# Allegro board hi3518edmeb_ver_a_pcb.brd (continued)
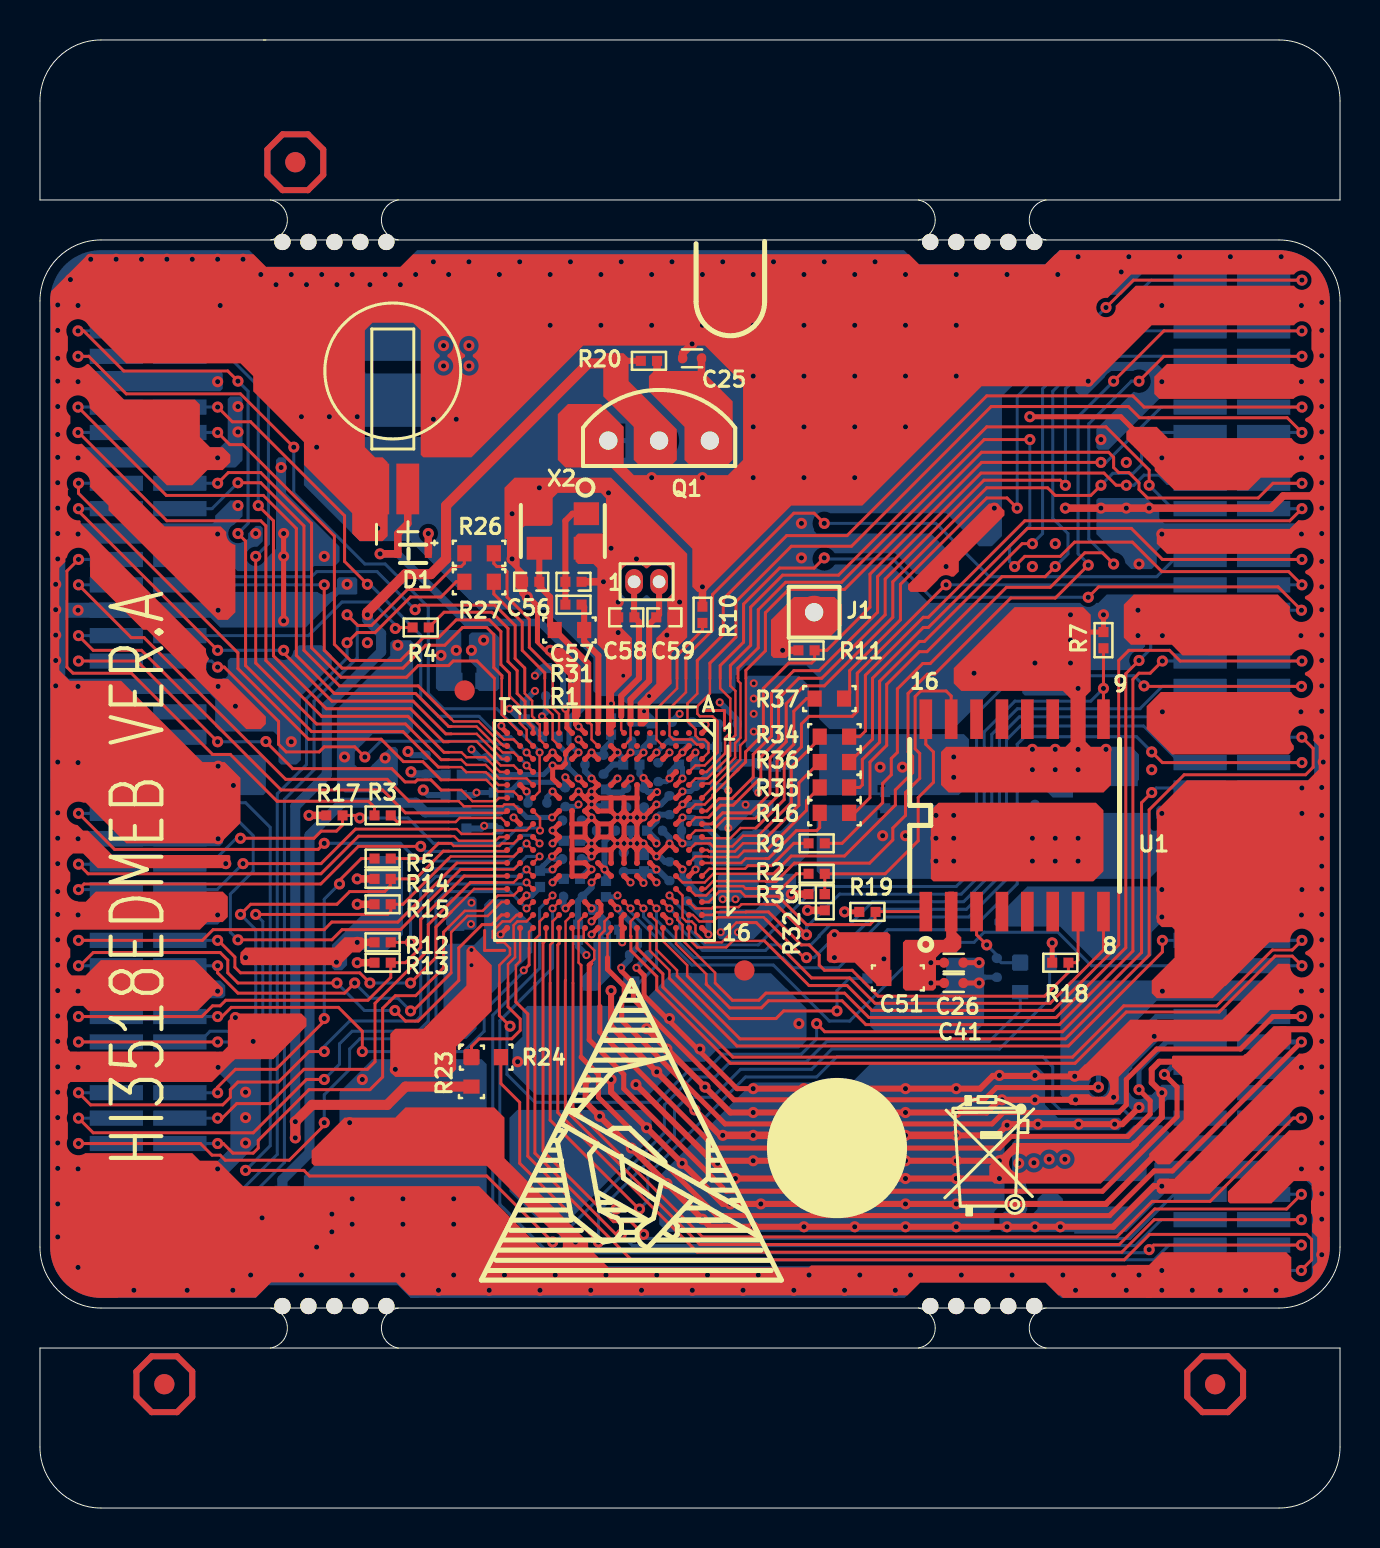
[diagram p0: board, top side]
## Routing (per net, layer and track width the routed paths; a pad name or vN(x,y) marks a point on that pad's centre or on a via; arc(x,y) is an arc through that point) (continued)
SAR_ADC_CH0_REFB: length 43.4
  TOP w0.152: R26.1 21.23,47.25 21.08,47.09 20.7,47.09 19.56,45.94 18.39,45.94 16.59,44.14 15.9,44.14 v1(15.37,44.67)
  BOTTOM w0.152: v1(15.37,44.67) 15.88,44.16 15.88,42.51 13.72,40.35 13.72,36.92 12.23,35.44 12.23,17.28 9.37,14.42 J2.76
SAR_ADC_CH1: length 9.6
  TOP w0.127: U3.M2 25.65,38.43 25.65,39.67 25.26,40.06 25.26,41.5
  TOP w0.152: 25.26,41.5 25.26,41.77 24.13,42.89 24.13,44.29 22.71,45.71 R27.2
SAR_ADC_CH1_REFB: length 39.9
  TOP w0.152: v1(15.37,43.27) 15.88,43.78 16.76,43.78 18.54,45.56 20.07,45.56 20.83,46.32 R27.1
  BOTTOM w0.152: J2.74 9.88,15.69 11.87,17.68 11.87,35.72 13.34,37.18 13.34,40.48 15.37,42.51 v1(15.37,43.27)
SAR_ADC_VREF: length 3.4
  TOP w0.254: v2(26.29,39.97) 26.37,39.9 26.37,39.02 U3.L1
  BOTTOM w0.305: LB4.2 26.17,40.68 C20.1 26.25,40.01 v2(26.29,39.97)
SDIO_CARD_DETECT: length 39.2
  TOP w0.127: U3.E14 v2(30.85,29.98)
  BOTTOM w0.152: J3.39 57.05,37.28 55.22,39.11 49.06,39.11 48.36,38.42 48.36,31.44 46.48,29.56 42.3,29.56 40.51,27.77 40.51,27.57 39.96,27.02 37.67,27.02 37.16,27.53 32.73,27.53 30.85,29.41 v2(30.85,29.98)
SDIO_CARD_POWER_EN: length 50.3
  TOP w0.127: U3.E15 30.85,29.33 30.85,27.92 31.88,26.89 31.88,26.61
  TOP w0.152: 31.88,26.61 35.03,23.46 51.31,23.46 55.5,27.65 55.5,34.92 57.25,36.67 63.32,36.67 63.7,37.05 63.7,37.99 v1(63.14,38.55)
  BOTTOM w0.152: J3.38 v1(63.14,38.55)
SDIO_CCLK_OUT: length 33.3
  TOP w0.152: v1(63.14,37.28) 56.16,37.28 v1(55.63,37.81)
  BOTTOM w0.152: v1(55.63,37.81) 54.86,38.58 49.28,38.58 48.9,38.19 48.9,31.21 46.61,28.92 42.42,28.92 41.4,27.91 R38.2 ; J3.40 v1(63.14,37.28)
SDIO_CCMD: length 45.7
  TOP w0.152: v1(55.24,41.12) 55.27,41.09 v1(63.12,41.09) ; v2(31.5,30.63) U3.C14
  BOTTOM w0.152: v1(55.24,41.12) 54.74,41.62 48.77,41.62 46.86,39.72 46.86,32.1 45.85,31.08 38.86,31.08 35.94,28.16 33.27,28.16 32.45,28.99 32.45,29.62 31.5,30.57 v2(31.5,30.63) ; J3.34 v1(63.12,41.09)
SDIO_CDATA0: length 44.8
  TOP w0.127: U3.C16 31.82,28.22 33.34,26.7 33.34,26.26
  TOP w0.152: 33.34,26.26 33.34,26.19 34.52,25.01 36.09,25.01 36.45,25.37 40.13,25.37 41.33,24.17 51,24.17 54.69,27.86 54.69,41.45 54.99,41.75 55.55,41.75 v1(56.16,42.36)
  BOTTOM w0.152: J3.31 v1(56.16,42.36)
SDIO_CDATA1: length 46.7
  TOP w0.127: U3.C15 31.82,29.57 31.89,29.5 31.89,29.42 32.15,29.16 32.15,28.4 33.78,26.76 33.78,26.26
  TOP w0.152: v1(54.99,42.39) 54.33,41.73 54.33,28.02 50.84,24.53 41.48,24.53 40.26,25.75 36.32,25.75 35.97,25.39 34.65,25.39 33.78,26.26
  BOTTOM w0.152: J3.27 56.21,44.9 55.58,44.27 55.58,42.97 v1(54.99,42.39)
SDIO_CDATA2: length 36.1
  TOP w0.127: 36.32,29.43 36.21,29.54 33.89,29.54 33.68,29.33 32.99,29.33 32.66,29.66 U3.B15
  TOP w0.152: 36.32,29.43 38.23,27.53 v1(38.35,27.53)
  BOTTOM w0.152: v1(38.35,27.53) 38.73,27.53 39.37,28.16 40.26,28.16 42.04,29.94 46.35,29.94 48.01,31.59 48.01,38.57 49,39.57 55.52,39.57 56.54,38.55 J3.37
SDIO_CDATA3: length 50.9
  TOP w0.127: 36.25,28.37 34.67,28.37 34.34,28.04 32.89,28.04 32.47,28.45 U3.B16
  TOP w0.152: 36.25,28.37 38.48,26.13 40.39,26.13 41.63,24.89 50.69,24.89 53.98,28.17 53.98,42.39 54.48,42.89 56.52,42.89 57.05,42.36 v1(63.14,42.36)
  BOTTOM w0.152: J3.32 v1(63.14,42.36)
SDIO_CWPR: length 37.7
  TOP w0.152: v2(31.5,29.98) U3.D14
  BOTTOM w0.152: v2(31.5,29.98) 32,29.48 32,29.04 33.16,27.88 36.3,27.88 36.58,28.16 38.56,28.16 38.99,28.59 38.99,28.63 39.54,29.18 40.51,29.18 41.66,30.32 46.22,30.32 47.62,31.73 47.62,38.69 48.91,39.97 55.04,39.97 56.16,41.09 J3.33
SENSOR_CLK: length 26.2
  TOP w0.152: v1(1.93,47.44) 1.35,46.86 1.35,42.06 1.65,41.75 4.57,41.75 8.64,37.69 9.53,37.69 11.87,35.35 16.44,35.35 16.74,35.05 R3.1
  BOTTOM w0.152: J2.23 v1(1.93,47.44)
SFC_CLK/SFC_ADDR_MODE: length 12.9
  TOP w0.152: U1.16 44.32,38.19 44.7,37.81 44.7,36.29 43.94,35.53 43.94,33.37 42.29,31.72 R2.2 R32.2
SFC_CSN: length 24.4
  TOP w0.127: 33.55,29.66 33.65,29.66 33.78,29.8 35.32,29.8 35.33,29.81
  TOP w0.13: 33.55,29.66 U3.A15
  TOP w0.152: 35.33,29.81 36.45,29.81 38.1,28.16 38.48,28.16 38.99,27.65 38.99,27.15 39.25,26.89 40.64,26.89 41.94,25.6 50.27,25.6 51.46,26.79 R18.2 51.82,27.27 51.94,27.4 U1.7
SFC_DI_IO1: length 28.6
  TOP w0.127: 35.02,29.28 34.85,29.28 34.53,28.96 34.53,28.71 34.11,28.29 33.29,28.29 32.8,28.78 32.8,29.14 32.61,29.33 32.34,29.33 32.15,29.53 32.15,30.63 U3.C13
  TOP w0.152: 35.02,29.28 35.84,29.28 38.61,26.51 40.51,26.51 41.78,25.24 50.55,25.24 53.21,27.91 U1.8
SFC_DO_IO0: length 21.6
  TOP w0.127: U3.A13 33.29,30.96 33.69,31.35 36.31,31.35 36.32,31.34
  TOP w0.152: 36.32,31.34 36.83,31.34 37.74,32.25 41.51,32.25 42.67,33.41 42.67,34 43.31,34.64 43.31,35.78 44.02,36.49 44.02,37.74 43.79,37.97 43.79,40.58 44.07,40.86 45.34,40.86 45.59,40.61 U1.15
SFC_HOLD_IO3: length 12.6
  TOP w0.13: 36.32,30.6 35.29,30.6 35.04,30.84 34,30.84 33.47,30.31 U3.A14
  TOP w0.152: U1.1 41.82,29.83 R19.2 41.78,29.79 41.78,29.43 41.53,29.18 38.35,29.18 36.94,30.6 36.32,30.6
SFC_WP_IO2: length 34.5
  TOP w0.127: U3.B14 32.8,29.98 33.61,29.98
  TOP w0.13: 36.32,30.19 35.1,30.19 34.96,30.05 33.68,30.05 33.61,29.98
  TOP w0.152: v1(38.35,28.67) 36.83,30.19 36.32,30.19 ; R7.1 v1(53.21,40.99) U1.9
  BOTTOM w0.152: v1(38.35,28.67) 38.35,29.05 40.01,30.7 46.1,30.7 47.24,31.85 47.24,38.81 48.78,40.35 52.58,40.35 v1(53.21,40.99)
SHUTTER_TRIG/GPIO1_0: length 26.4
  TOP w0.127: U3.P10 24.67,32.91 v2(24.35,33.23)
  TOP w0.152: v1(1.93,34.74) 1.93,34.74 3.73,32.94 13.92,32.94 v1(14.22,33.24)
  BOTTOM w0.152: v1(14.22,33.24) 18.03,33.24 18.92,32.35 23.47,32.35 v2(24.35,33.23) ; J2.43 v1(1.93,34.74)
SPI0_CSN: length 25.3
  TOP w0.127: 24.26,40.86 24.26,40.73 24.63,40.37 24.63,39.6 24.73,39.5 24.73,39.43 24.96,39.2 25.01,39.2 25.01,38.9 25,38.89 25,38.63 25.02,38.6 25,38.58 25,38.44 25.02,38.41 U3.N2
  TOP w0.152: 24.26,40.86 24.26,42 23.77,42.49 23.77,44.14 22.76,45.15 19,45.15 v1(18.77,44.93)
  BOTTOM w0.152: J2.24 8.41,47.44 9.27,46.58 13.59,46.58 13.84,46.83 16.87,46.83 v1(18.77,44.93)
SPI0_MISO: length 31.4
  TOP w0.127: U3.P2 24.35,38.43 24.35,38.92 24,39.27 24,40.1 23.5,40.61
  TOP w0.152: v1(8.89,53.79) 9.5,53.18 10.16,53.18 14.73,48.61 14.73,43.19 15.54,42.39 18.03,42.39 19.18,43.53 19.94,43.53 20.83,44.42 22.48,44.42 23.06,43.83 23.06,42.18 23.5,41.75 23.5,40.61
  BOTTOM w0.152: J2.14 v1(8.89,53.79)
SPI0_MOSI: length 25.8
  TOP w0.127: U3.R1 23.1,39.68 23.1,41.48 23.11,41.5
  TOP w0.152: 23.11,41.5 23.11,41.62 22.71,42.03 22.71,43.68 22.35,44.04 21.14,44.04 20.25,43.15 19.3,43.15 18.16,42 15.11,42 14.22,42.89 v1(14.22,46.17)
  BOTTOM w0.152: v1(14.22,46.17) J2.26
SPI0_SCLK: length 13
  TOP w0.152: R4.1 17.83,44.04 v1(17.78,43.99)
  BOTTOM w0.152: v1(17.78,43.99) 17.78,44.16 16.64,45.31 15.11,45.31 13.44,43.63 J2.30
SPI1_CSN: length 21.4
  TOP w0.127: v2(25.02,33.88) 25.02,34.51 U3.P7
  TOP w0.152: v1(16,34.51) 15.88,34.64 R17.2 15.14,34.16 14.83,33.85 14.07,33.85 13.72,33.5 v1(10.03,33.5)
  BOTTOM w0.152: v1(16,34.51) 18.41,34.51 19.68,33.24 23.11,33.24 23.88,34 24.89,34 v2(25.02,33.88) ; v1(10.03,33.5) 9.83,33.5 8.53,32.2 J2.48
SPI1_MISO: length 19.2
  TOP w0.127: U3.P8 24.35,33.89 22.83,33.89 22.65,33.71 21.1,33.71 20.86,33.95 20.45,33.95
  TOP w0.152: v1(10.16,32.23) 14.06,32.23 15.79,33.95 20.45,33.95
  BOTTOM w0.152: v1(10.16,32.23) 8.86,30.93 J2.50
SPI1_MOSI: length 24.5
  TOP w0.127: U3.T9 22.99,33.56 22.8,33.37 20.95,33.37 20.73,33.6 20.55,33.6
  TOP w0.152: 20.55,33.6 15.94,33.6 14.06,31.72 2.41,31.72 v1(1.93,32.2)
  BOTTOM w0.152: J2.47 v1(1.93,32.2)
SPI1_SCLK: length 18.5
  TOP w0.152: v1(14.99,31.21) 14.99,31.39 16.08,32.48 R5.1 ; v1(8.89,20.77) 8.89,21.05 9.78,21.94 11.81,21.94 14.31,24.43 14.26,24.48 v1(14.22,24.48)
  BOTTOM w0.152: v1(14.99,31.21) 14.22,30.45 v1(14.22,24.48) ; J2.66 v1(8.89,20.77)
SVB_PWM: length 57.4
  TOP w0.127: 23.81,26.26 23.81,27.15 24.02,27.36 U3.R16
  TOP w0.152: v1(63.11,11.88) 63.11,11.9 63.63,12.41 63.63,13.43 63.37,13.68 55.52,13.68 54.25,12.41 29.59,12.41 24.41,17.6 24.41,24.71 23.81,25.3 23.81,26.26
  BOTTOM w0.152: J3.80 v1(63.11,11.88)
SYS_RSTN: length 28.6
  TOP w0.152: v1(14.86,26.26) 9.91,26.26 9.4,26.76 9.4,27.4 9.02,27.78 2.67,27.78 2.01,27.12 v1(1.93,27.12) ; v1(17.76,24.88) 18.29,24.35 18.92,24.35 20.95,26.38 20.95,28.01 22.12,29.18 22.61,29.18 23.09,29.66 U3.T15
  BOTTOM w0.152: J2.55 v1(1.93,27.12) ; v1(17.76,24.88) 16.23,24.88 v1(14.86,26.26)
SYS_RSTN_OUT: length 42.3
  TOP w0.152: v1(27.94,13.3) 24,17.24 24,20.29 23.06,21.23 R24.1
  BOTTOM w0.152: v1(27.94,13.3) 27.94,14.83 31.75,18.64 31.75,19.91 32.38,20.54 33.66,20.54 35.05,21.94 38.61,21.94 39.62,22.95 48.01,22.95 50.52,25.47 R28.2
SYS_RSTN_OUT/TEMPER_DQ: length 10.2
  TOP w0.127: U3.P15 24.35,29.33 23.89,29.33 23.7,29.14 23.7,28.47 23.77,28.4 23.77,27.55 23.42,27.2 23.42,26.26
  TOP w0.152: 23.42,26.26 23.42,25.06 24.03,24.45 24.03,23.89 23.6,23.46 21.97,23.46 21.59,23.08 R24.2
TEMPER_DQ: length 58.5
  TOP w0.305: 29.33,57.37 R20.2
  TOP w0.508: R23.1 18.29,21.08 17.37,20.16 13.61,20.16 v1(12.78,19.32) v1(12.78,18.51) ; v1(16.38,44.67) 16.38,44.8 18.29,46.7 19.56,46.7 20.32,47.47 20.32,50.13 27.43,57.24 28.7,57.24
  BOTTOM w0.508: v1(12.78,18.51) v1(12.78,19.32) 12.78,35.1 14.35,36.67 14.35,40.1 17.07,42.82 17.07,43.73 16.38,44.42 v1(16.38,44.67)
UART0_RXD: length 52.5
  TOP w0.127: U3.L16 26.67,28.96 26.67,26.26
  TOP w0.152: 26.67,26.26 26.67,20.03 33.15,13.56 53.87,13.56 55.65,15.33 58.55,15.33 62.71,19.5 v1(63.11,19.5)
  BOTTOM w0.152: J3.68 v1(63.11,19.5)
UART0_TXD: length 52.4
  TOP w0.127: U3.L15 26.3,29.33 26.3,26.39 26.29,26.38
  TOP w0.152: v1(63.11,15.69) 62.38,14.95 55.78,14.95 54,13.18 33.02,13.18 26.29,19.91 26.29,26.38
  BOTTOM w0.152: J3.74 v1(63.11,15.69)
UART1_CTSN/GPIO2_4: length 59.5
  TOP w0.127: U3.M14 v2(25.65,29.98)
  TOP w0.152: v1(55.5,12.92) 55.73,13.15 v1(63.11,13.15)
  BOTTOM w0.152: v2(25.65,29.98) 25.65,27.01 23.01,24.38 23.01,15.18 25.43,12.77 55.35,12.77 v1(55.5,12.92) ; J3.78 v1(63.11,13.15)
UART1_RTSN/GPIO2_2: length 54.2
  TOP w0.127: U3.N14 v2(25.65,30.63)
  BOTTOM w0.152: v2(25.65,30.63) 25,29.98 25,26.99 22.66,24.65 22.66,14.9 25.15,12.41 55.75,12.41 56.49,13.15 J3.77
UART1_RXD: length 46.8
  TOP w0.127: U3.N16 25.32,28.42
  TOP w0.152: v1(30.2,13.68) 29.57,14.32 28.7,14.32 25.17,17.85 25.17,28.26 25.32,28.42
  BOTTOM w0.152: v1(30.2,13.68) 30.4,13.48 54.53,13.48 56.74,15.69 J3.73
UART1_TXD: length 47.9
  TOP w0.127: 24.77,26.26 24.77,28.44 25,28.67 25,29.33 U3.N15
  TOP w0.152: v1(29.08,13.68) 28.83,13.68 24.77,17.75 24.77,26.26
  BOTTOM w0.152: J3.75 56.11,14.42 54.81,13.13 29.64,13.13 v1(29.08,13.68)
UART2_RXD: length 51
  TOP w0.127: U3.M15 25.65,29.33 25.65,28.29 25.53,28.17 25.53,26.26
  TOP w0.152: 25.53,26.26 25.53,19.4 29.97,14.95 v1(30,14.95)
  BOTTOM w0.152: J3.67 54.64,19.5 54.23,19.91 51.05,19.91 50.67,20.29 50.67,22.07 50.16,22.57 39.88,22.57 38.86,21.56 35.31,21.56 30.42,16.67 30.42,15.37 v1(30,14.95)
UART2_TXD: length 51.9
  TOP w0.152: v1(63.11,14.42) 55.75,14.42 54.13,12.79 32.89,12.79 25.91,19.78 25.91,28.16 25.97,28.23 U3.M16
  BOTTOM w0.152: J3.76 v1(63.11,14.42)
USB_DM: length 41.3
  TOP w0.155: U3.F16 29.87,28.01 31.17,26.71 31.17,26.05 34.67,22.55 51.66,22.55 54.23,25.11 58.87,25.11 61.67,27.91 62.66,27.91 v1(63.14,28.39)
  BOTTOM w0.155: J3.54 v1(63.14,28.39)
USB_DP: length 42.6
  TOP w0.127: 29.55,28.62 29.55,29.33 U3.F15
  TOP w0.155: 29.55,28.62 29.57,28.6 29.57,27.88 30.86,26.58 30.86,25.92 34.54,22.24 51.79,22.24 54.36,24.81 59,24.81 61.8,27.6 62.66,27.6 v1(63.14,27.12)
  BOTTOM w0.155: J3.56 v1(63.14,27.12)
USB_OVRCUR: length 33.4
  TOP w0.127: U3.F14 v2(30.2,29.98)
  BOTTOM w0.152: J3.55 52.6,27.12 50.93,28.8 47.24,28.8 46.74,28.29 44.45,28.29 40.51,24.35 39.5,24.35 36.69,27.15 32.62,27.15 30.2,29.57 v2(30.2,29.98)
USB_PWREN: length 33.4
  TOP w0.127: U3.E16 30.52,27.86 31.5,26.89 31.5,26.49
  TOP w0.152: v1(56.16,28.39) 56.16,27.81 51.46,23.11 34.87,23.11 31.5,26.49
  BOTTOM w0.152: J3.53 v1(56.16,28.39)
VI_POWER: length 40.6
  TOP w0.254: v2(25.62,34.53) 25.65,34.53 U3.M7
  BOTTOM w0.254: v2(25.62,34.53) 24.36,34.53 23.88,35.02 23.15,35.02 C8.1
  BOTTOM w0.381: C71.1 22.92,34.79 C8.1
  BOTTOM w0.508: J2.80 8.99,11.88 10.03,12.92 C30.1 12.13,13.07 C55.1 C73.1 12.13,16.41 13.49,17.77 13.49,33.65 15.11,35.27 18.8,35.27 19.28,34.79 C71.1
VIU_CLK: length 28.7
  TOP w0.127: U3.R7 23.7,35.18 23.24,35.18 23.15,35.1 21.21,35.1 20.95,35.35 20.45,35.35
  TOP w0.152: 20.45,35.35 18.47,35.35 17.37,36.44 12.29,36.44 5.21,43.53 4.57,43.53 v1(1.93,46.17)
  BOTTOM w0.152: J2.25 v1(1.93,46.17)
VIU_DAT0: length 28.2
  TOP w0.152: v1(16.38,46.2) 15.24,47.34 15.24,49.62 10.54,54.32 9.63,54.32 v1(8.89,55.06) ; U3.P3 v2(24.35,37.78)
  BOTTOM w0.152: v2(24.35,37.79) 23.56,38.58 22.99,38.58 21.97,39.59 19.94,39.59 19.05,40.48 19.05,43.65 16.5,46.2 v1(16.38,46.2) ; J2.12 v1(8.89,55.06)
VIU_DAT1: length 35
  TOP w0.127: U3.R3 23.7,37.79 23.15,37.79 22.96,37.98 22.72,38.22 22.71,38.22 21.85,39.08 20.57,39.08
  TOP w0.152: 20.57,39.08 20.45,39.08 18.8,40.73 14.73,40.73 12.83,42.64 12.83,48.99 11.18,50.64 6.32,50.64 v1(1.91,55.06)
  BOTTOM w0.152: J2.11 v1(1.91,55.06)
VIU_DAT2: length 28.7
  TOP w0.127: U3.T3 23.11,37.46 23.04,37.53 22.82,37.76 22.82,37.76 22.61,37.96 22.61,37.96 21.85,38.72 20.57,38.72
  TOP w0.152: v1(8.89,42.89) 1.93,49.86 v1(1.93,49.98) ; 20.57,38.72 20.31,38.72 18.67,40.35 14.61,40.35 12.19,42.77 v1(12.19,42.89)
  BOTTOM w0.152: v1(8.89,42.89) v1(12.19,42.89) ; J2.19 v1(1.93,49.98)
VIU_DAT3: length 21.5
  TOP w0.152: U3.P4 v2(24.35,37.13) ; v1(8.89,42.06) 9.22,42.06 11.94,39.34 11.94,38.19 12.32,37.81 13.97,37.81 14.22,38.07 15.75,38.07 v1(16.26,37.56)
  BOTTOM w0.152: v1(16.26,37.56) 17.04,38.35 22.71,38.35 22.86,38.19 23.32,38.19 24.35,37.17 v2(24.35,37.14) ; J2.32 8.59,42.36 v1(8.89,42.06)
VIU_DAT4: length 33.1
  TOP w0.127: U3.R4 23.7,37.14 23.05,37.14 21.85,38.33 20.46,38.33 20.45,38.32
  TOP w0.152: v1(10.92,50.13) 11.68,49.37 11.68,42.61 14.33,39.97 18.54,39.97 20.19,38.32 20.45,38.32
  BOTTOM w0.152: J2.8 9.42,57.6 10.92,56.1 v1(10.92,50.13)
VIU_DAT5: length 34.4
  TOP w0.127: U3.T4 23.02,36.81 22.28,37.55 21.34,37.55 21.09,37.79 20.45,37.79
  TOP w0.152: v1(1.91,53.79) 1.93,53.79 6.35,49.37 11.05,49.37 11.3,49.12 11.3,42.39 14.1,39.59 18.41,39.59 20.22,37.79 20.45,37.79
  BOTTOM w0.152: J2.13 v1(1.91,53.79)
VIU_DAT6: length 36.2
  TOP w0.127: 20.45,37.43 21.09,37.43 21.35,37.17 22.3,37.17 22.98,36.49 24.35,36.49 U3.P5
  TOP w0.152: v1(10.79,47.59) 10.79,42.26 13.84,39.21 18.29,39.21 20.07,37.43 20.45,37.43
  BOTTOM w0.152: J2.6 8.92,58.87 11.43,56.36 11.43,48.23 v1(10.79,47.59)
VIU_DAT7: length 41.3
  TOP w0.127: 20.45,37.05 21.08,37.05 21.34,36.8 22.31,36.8 22.95,36.16 U3.T5
  TOP w0.152: v1(9.91,56.36) 9.4,56.86 4.19,56.86 2.19,58.87 v1(1.91,58.87) ; v1(9.91,48.74) 10.29,48.35 10.29,42.13 13.59,38.83 18.16,38.83 19.94,37.05 20.45,37.05
  BOTTOM w0.152: J2.5 v1(1.91,58.87) ; v1(9.91,56.36) 10.41,55.85 10.41,49.24 v1(9.91,48.74)
VIU_DAT8: length 26.4
  TOP w0.127: 20.45,35.91 21.08,35.91 21.64,35.35 22.81,35.35 22.97,35.51 U3.T6
  TOP w0.152: 20.45,35.91 20.07,35.91 19.56,36.42 18.88,36.42 18.77,36.31 18.27,36.31 17.6,36.98 12.65,36.98 11.3,38.32 v1(11.3,38.33) ; v1(1.93,42.36) 4.85,42.36 v1(8.89,38.32)
  BOTTOM w0.152: v1(8.89,38.32) 11.29,38.32 v1(11.3,38.33) ; J2.31 v1(1.93,42.36)
VIU_DAT9: length 39.5
  TOP w0.127: U3.P6 25,35.83 v2(25,37.79)
  TOP w0.152: v1(1.91,57.6) 2.44,57.6 4.32,55.72 10.03,55.72 v1(12.7,53.05)
  BOTTOM w0.152: v1(12.7,53.05) 12.7,50.77 16.26,47.21 17.27,47.21 19.43,45.05 19.43,40.73 20.19,39.97 22.86,39.97 25,37.83 v2(25,37.79) ; J2.7 v1(1.91,57.6)
VIU_DAT10: length 31.3
  TOP w0.127: U3.R6 23.7,35.83 22.91,35.83 22.33,36.42 20.45,36.42
  TOP w0.152: v1(1.93,51.25) 1.93,50.75 9.91,42.77 9.91,41.98 13.44,38.45 17.07,38.45 18.19,37.33 19.16,37.33 20.07,36.42 20.45,36.42
  BOTTOM w0.152: J2.17 v1(1.93,51.25)
VIU_DAT11: length 27
  TOP w0.127: U3.T7 23.28,34.77 20.45,34.77
  TOP w0.152: v1(1.93,43.63) 2.66,42.89 5.08,42.89 12.06,35.91 17.14,35.91 18.29,34.77 20.45,34.77
  BOTTOM w0.152: J2.29 v1(1.93,43.63)
VIU_HS: length 28.8
  TOP w0.127: 22.74,41.49 22.74,39.33 22.69,39.29 22.69,38.95 22.92,38.72 22.93,38.72 23.22,38.44 23.22,38.44 23.7,38.44 U3.R2
  TOP w0.152: v1(8.89,51.25) 9.42,51.78 11.04,51.78 13.59,49.24 13.59,43.02 15.06,41.55 18.34,41.55 18.92,42.13 20.45,42.13 20.68,42.36 21.87,42.36 22.74,41.49
  BOTTOM w0.152: J2.18 v1(8.89,51.25)
VIU_VS: length 26
  TOP w0.127: U3.T2 23.2,38.11 23.11,38.2 23.09,38.21 22.82,38.47 22.82,38.47 21.95,39.34 20.7,39.34 20.57,39.46
  TOP w0.152: 20.57,39.46 18.92,41.12 14.99,41.12 13.21,42.89 13.21,49.12 11.05,51.28 v1(9.91,51.28)
  BOTTOM w0.152: v1(9.91,51.28) 8.61,49.98 J2.20
WDG_RSTN: length 27.5
  TOP w0.152: v1(1.93,24.58) 8.1,24.58 8.64,25.11 9.02,25.11 9.3,25.39 16.41,25.39 17.55,26.54 R13.1 18.29,27.27 19.05,28.03 19.05,29.43 21.23,31.61 U3.T12
  BOTTOM w0.152: J2.59 v1(1.93,24.58)
$4N364: length 7.2
  TOP w0.127: 31.88,41.5 31.88,40.99 30.85,39.96 30.85,38.43 U3.D2
  TOP w0.152: R10.2 33.15,43.91 31.88,42.64 31.88,41.5
$5N585: length 6.7
  TOP w0.127: 35.31,30.98 35.19,31.1 33.8,31.1 33.33,30.63 32.8,30.63 U3.B13
  TOP w0.152: 35.31,30.98 37.11,30.98 37.85,31.72 R2.1
$5N586: length 8.9
  TOP w0.127: U3.G2 29.55,38.43 29.55,39.21
  TOP w0.305: X1.2 30.98,44.69 C59.1 30.48,44.19 30.48,41.37 29.55,40.44 29.55,39.21
$5N587: length 8.1
  TOP w0.127: U3.G1 29.08,38.9 29.08,39.59
  TOP w0.305: 29.08,39.59 29.08,40.61 29.97,41.5 29.97,44.32 C58.1 29.73,44.56 X1.1
$5N591: length 6
  TOP w0.127: U3.A12 33.49,31.97 35.28,31.97 35.43,32.12
  TOP w0.152: 35.43,32.12 36.6,32.12 37.72,33.24 R9.1
$5N597: length 6.8
  TOP w0.254: 27.94,39.34 27.92,39.32 U3.J1
  TOP w0.305: 27.94,39.34 27.94,42.64 27.23,43.35 R1.1 27.23,45.05 R31.1
$5N598: length 11.1
  TOP w0.127: U3.J2 27.6,38.43 27.6,39.17 27.43,39.34
  TOP w0.305: X2.3 C56.1 24.99,46.1 25.53,45.56 25.53,44.14 R1.2 27.43,42.23 27.43,39.34
$5N623: length 5.4
  TOP w0.305: X2.1 26.64,49.73 26.29,49.37 C57.1 R31.2
$5N673: length 22.1
  TOP w0.254: v2(26.95,37.79) 26.62,37.46 U3.L3
  TOP w0.381: U2.1 18.4,49.23 17.91,48.74 D1.1 v1(17.02,47.72)
  BOTTOM w0.254: 26.47,39.39 26.47,38.25 26.93,37.79 v2(26.95,37.79)
  BOTTOM w0.381: v1(17.02,47.72) D1.1 21.34,44.29 25.02,44.29 27.2,42.11 27.2,40.12 26.47,39.39
$5N771: length 11.2
  TOP w0.127: U3.P11 v2(25,32.58)
  TOP w0.152: R12.1 v1(18.54,28.29)
  BOTTOM w0.152: v1(18.54,28.29) 18.54,30.96 19.56,31.97 23.74,31.97 24.35,32.58 v2(25,32.58)
$5N848: length 7.4
  TOP w0.127: U3.A11 35.09,32.26 35.31,32.48 36.32,32.48
  TOP w0.152: R16.2 39.01,34.03 38.86,33.88 37.85,33.88 36.45,32.48 36.32,32.48
$5N850: length 8.4
  TOP w0.127: U3.B11 32.8,32.58 33.42,32.58 33.45,32.56 34.92,32.56 35.23,32.86
  TOP w0.152: R35.2 38.35,35.38 38.35,34.89 36.32,32.86 35.23,32.86
$5N852: length 8.4
  TOP w0.127: 36.32,33.5 36.07,33.24 35.18,33.24 34.77,32.84 33.48,32.84 33.4,32.91 U3.A10
  TOP w0.152: 36.32,33.5 37.97,35.15 37.97,36.26 R36.2
$5N854: length 11.2
  TOP w0.127: U3.B9 32.8,33.88 33.66,33.88 34.26,34.49 35.79,34.49 36.32,35.02
  TOP w0.152: 36.32,35.02 36.88,35.58 36.88,37.35 36.96,37.42 36.96,37.43 37.72,38.19 37.72,39.85 38.35,40.48 R37.2
$5N862: length 10.1
  TOP w0.127: U3.B10 32.8,33.23 33.53,33.23 33.67,33.09 34.65,33.09 35.18,33.62 35.94,33.62 36.32,34
  TOP w0.152: 36.32,34 37.59,35.27 37.59,37.05 39.01,38.47 R34.2
$6N585: length 6.2
  TOP w0.127: 20.45,34.31 20.8,34.31 21,34.51 23.07,34.51 U3.T8
  TOP w0.152: 20.45,34.31 17.88,34.31 R3.2
$6N598: length 5.5
  TOP w0.127: U3.G14 v2(29.55,29.98)
  BOTTOM w0.152: v2(29.55,29.98) 29.55,29.81 30.85,28.51 30.85,27.14 29.95,26.23 R6.1
$6N719: length 10.4
  TOP w0.152: R4.2 20.22,44.8 22.61,44.8 23.42,43.99 23.42,42.34 23.88,41.88 23.88,40.73 24.27,40.34 24.27,39.45 24.67,39.05 U3.P1
$6N735: length 7
  TOP w0.127: U3.R9 23.7,33.23 23.11,33.23 22.99,33.11 20.7,33.11 20.57,33.24 20.45,33.24
  TOP w0.152: 20.45,33.24 19.94,33.24 19.18,32.48 R5.2
$6N854: length 14.2
  TOP w0.127: U3.D16 31.17,28.36 32.38,27.15 32.38,26.61
  TOP w0.152: v1(39.88,24.86) 37.21,24.86 36.83,24.48 34.52,24.48 32.38,26.61
  BOTTOM w0.152: R38.1 40.49,26.49 39.88,25.88 v1(39.88,24.86)
$7N213: length 4
  TOP w0.152: v1(47.37,28.16) 46.86,28.67 U1.3
  BOTTOM w0.152: R28.1 48.09,27.27 C46.1 47.88,27.65 v1(47.37,28.16)

## Copper pours and planes (outline as drawn; the poured copper is in the pictures)
1V2 on TOP (solid shape): 53.21,34.89 53.21,31.84 52.7,31.34 44.7,31.34 44.58,31.46 44.58,34.89 44.96,35.27 52.83,35.27
1V2 on BOTTOM (solid shape): 55.55,34.61 55.55,34 55.68,33.88 63.12,33.88 63.37,33.62 63.37,31.97 63.25,31.84 55.88,31.84 55.5,31.46 49.66,31.46 49.28,31.84 49.28,34.51 49.53,34.77 55.4,34.77
1V2 on BOTTOM (solid shape): 46.35,34.89 46.35,32.23 45.59,31.46 39.24,31.46 38.86,31.84 38.86,34.51 42.29,34.51 42.29,34.89 41.91,34.89 41.91,34.51 38.86,34.51 38.86,34.89 39.12,35.15 46.1,35.15
1V2 on POWER3 (solid shape): outline of 1187 points within 23.19,30.96 46.08,40.33
1V8 on BOTTOM (solid shape): 11.3,60.55 21.72,60.55 21.97,60.29 21.97,56.74 21.72,56.48 20.07,56.48 19.18,57.37 15.62,57.37 14.99,58.01 10.41,58.01 9.78,58.64 9.78,60.55 9.27,61.05 2.29,61.05 2.16,61.18 2.16,61.69 2.29,61.82 10.03,61.82
1V8 on BOTTOM (solid shape): 38.48,41.12 38.48,32.73 37.85,32.1 33.66,32.1 33.53,32.23 33.53,33.37 33.66,33.5 34.8,33.5 35.18,33.88 37.08,33.88 37.47,34.26 37.47,37.56 37.21,37.81 35.56,37.81 35.31,38.07 35.31,41.5 35.43,41.62 37.97,41.62
1V8 on POWER3 (solid shape): outline of 1278 points within 17.27,35.53 37.85,58.9
3V3 on TOP (solid shape): 34.66,55.34 34.66,52.42 34.41,52.16 32.5,52.16 32.25,52.42 32.25,54.07 30.47,55.85 30.47,56.61 30.72,56.86 33.14,56.86
3V3 on TOP (solid shape): 45.85,30.7 45.85,28.8 46.1,28.54 46.1,28.03 45.85,27.78 45.09,27.78 44.83,27.53 44.83,26 44.7,25.88 43.31,25.88 43.18,26 43.18,28.29 43.31,28.42 45.21,28.42 45.34,28.54 45.34,30.7 45.47,30.83 45.72,30.83
3V3 on BOTTOM (solid shape): 21.84,30.45 21.84,29.05 21.72,28.92 20.57,28.92 20.32,29.18 20.32,30.32 20.57,30.57 21.72,30.57
3V3 on BOTTOM (solid shape): 22.99,43.53 22.99,40.99 22.86,40.86 21.97,40.86 21.84,40.99 21.84,42 21.46,42.39 21.46,43.66 21.59,43.78 22.73,43.78
3V3 on BOTTOM (solid shape): 35.94,31.59 35.94,30.7 35.81,30.57 35.18,30.57 34.92,30.32 34.04,30.32 33.91,30.45 33.91,31.59 34.04,31.72 35.81,31.72
3V3 on BOTTOM (solid shape): 56.64,18.64 62.61,18.64 62.74,18.51 62.74,18 62.61,17.87 56.64,17.87 56.52,17.75 55.75,17.75 55.37,17.37 55.37,16.6 55.12,16.35 48.9,16.35 48.64,16.6 48.64,18.26 48.9,18.51 54.1,18.51 54.74,19.14 56.13,19.14
3V3 on POWER3 (solid shape): outline of 21466 points within 1.52,11.3 63.47,61.97
GND on TOP (solid shape): 55.63,10.89 55.63,10.51 51.18,10.51 51.05,10.64 51.05,11.14 55.37,11.14
GND on TOP (solid shape): 42.55,28.67 42.55,26.26 42.42,26.13 41.91,26.13 40.77,27.27 39.5,27.27 39.37,27.4 39.37,28.67 39.5,28.8 42.42,28.8
GND on TOP (solid shape): 40.13,45.18 40.13,44.16 39.5,43.53 37.59,43.53 37.47,43.4 37.47,42.64 37.34,42.51 36.7,42.51 36.58,42.64 36.58,44.42 37.72,45.56 39.75,45.56
GND on TOP (solid shape): 16.26,28.42 16.26,28.03 16,27.78 15.62,27.78 14.99,27.15 10.16,27.15 10.03,27.27 10.03,27.78 10.29,28.03 14.73,28.03 15.24,28.54 16.13,28.54
GND on TOP (solid shape): 62.61,23.84 62.61,23.27 56.53,17.19 55.93,17.19 55.5,17.62 55.5,17.71 57.23,19.44 57.23,21.19 57.15,21.26 57.15,21.56 56.64,22.07 56.64,22.57 56.69,22.62 60.21,22.62 60.28,22.7 60.33,22.7 61.72,24.1 62.36,24.1
GND on TOP (solid shape): 22.61,27.15 22.61,24.86 20.83,23.08 20.83,21.94 20.45,21.56 17.78,21.56 17.53,21.81 17.53,23.72 17.78,23.97 19.18,23.97 21.34,26.13 21.34,27.91 21.46,28.03 21.72,28.03
GND on TOP (solid shape): 48.26,49.88 48.26,49.64 46.08,47.45 46.08,47.44 45.97,47.34 45.97,46.83 45.72,46.58 45.6,46.58 45.23,46.64 44.92,46.41 44.32,45.81 43.56,45.81 43.43,45.94 43.43,46.18 47.49,50.23 47.9,50.23
GND on TOP (solid shape): 52.58,44.67 52.58,40.86 52.32,40.61 52.32,38.32 52.58,38.07 53.47,38.07 53.59,37.94 53.59,36.16 53.21,35.78 45.47,35.78 45.09,36.16 45.09,37.81 45.34,38.07 51.31,38.07 51.56,38.32 51.56,40.48 51.18,40.86 46.1,40.86 45.72,41.24 45.72,42 48.77,45.05 52.2,45.05
GND on TOP (solid shape): outline of 158 points within 47.5,16.22 54.99,18.38
GND on TOP (solid shape): outline of 101 points within 23.24,38.58 32.38,51.53
GND on TOP (solid shape): outline of 1802 points within 0.51,10.51 64.54,62.91
GND on BOTTOM (solid shape): 21.08,43.78 21.08,40.99 20.95,40.86 19.94,40.86 19.81,40.99 19.81,43.78 19.94,43.91 20.95,43.91
GND on BOTTOM (solid shape): 30.61,19.4 30.61,18.52 26.4,14.32 25.02,14.32 23.5,15.84 23.5,19.53 23.88,19.91 30.1,19.91
GND on BOTTOM (solid shape): 52.45,41.22 52.45,40.76 52.32,40.63 49.28,40.63 49.15,40.76 49.15,41.22 49.28,41.34 52.32,41.34
GND on BOTTOM (solid shape): 36.7,35.27 36.7,34.77 36.58,34.64 35.43,34.64 34.67,33.88 34.04,33.88 33.78,34.13 33.78,35.15 34.04,35.4 36.58,35.4
GND on BOTTOM (solid shape): 47.24,27.4 47.24,24.22 46.86,23.84 41.78,23.84 41.53,24.1 41.53,24.86 42.16,25.49 44.83,25.49 45.34,26 45.34,27.4 45.47,27.53 47.12,27.53
GND on BOTTOM (solid shape): 37.83,31.6 37.83,30.57 35.7,28.44 34.01,28.44 33.91,28.54 33.91,29.81 34.04,29.94 35.81,29.94 36.32,30.45 36.32,31.59 36.45,31.72 37.72,31.72
GND on BOTTOM (solid shape): 18.16,32.35 18.16,28.67 17.4,27.91 15.62,27.91 15.37,27.65 15.37,27.15 15.11,26.89 14.73,26.89 14.61,27.02 14.61,28.16 16.38,29.94 16.38,32.35 16.64,32.61 17.91,32.61
GND on BOTTOM (solid shape): 54.99,37.69 54.99,36.42 54.74,36.16 51.82,36.16 51.69,36.04 51.69,35.53 50.67,35.53 50.42,35.78 50.42,36.54 50.29,36.67 49.4,36.67 49.28,36.8 49.28,37.94 49.4,38.07 54.61,38.07
GND on BOTTOM (solid shape): 24.64,29.18 24.64,27.78 24.03,27.17 23.97,27.13 23.93,27.07 21.84,24.99 21.84,23.97 21.34,23.46 20.32,23.46 20.19,23.59 20.19,28.03 20.32,28.16 21.72,28.16 22.23,28.67 22.23,30.19 22.48,30.45 23.37,30.45
GND on BOTTOM (solid shape): 50.29,21.68 50.29,20.16 50.93,19.53 53.98,19.53 54.1,19.4 54.1,19.02 53.98,18.89 48.77,18.89 48.26,18.38 48.26,15.33 47.75,14.83 47.75,14.06 47.5,13.81 31.37,13.81 30.99,14.19 30.99,16.6 35.66,21.28 40.37,21.28 40.4,21.3 40.64,21.3 41.53,22.19 49.78,22.19
GND on BOTTOM (solid shape): 46.48,38.45 46.48,36.16 45.97,35.65 39.24,35.65 39.12,35.78 42.29,35.78 42.29,36.16 41.91,36.16 41.91,35.78 39.12,35.78 38.99,35.91 38.99,38.45 39.24,38.7 46.23,38.7
GND on BOTTOM (solid shape): 18.67,43.27 18.67,38.96 18.41,38.7 16.64,38.7 15.75,37.81 15.75,37.18 15.88,37.05 16.51,37.05 17.53,38.07 17.78,38.07 17.91,37.94 17.91,36.16 17.53,35.78 15.24,35.78 14.86,36.16 14.86,39.96 17.53,42.63 17.53,43.28 17.65,43.4 18.54,43.4
GND on BOTTOM (solid shape): 19.68,56.36 19.68,54.83 19.81,54.7 21.97,54.7 22.1,54.58 22.1,54.2 21.97,54.07 12.83,54.07 12.57,54.32 12.57,56.36 12.95,56.74 19.3,56.74
GND on BOTTOM (solid shape): 21.21,12.03 21.34,12.03 21.4,12.1 55.94,12.1 56.13,12.29 59.23,12.29 59.36,12.16 59.36,11.27 59.49,11.14 62.1,11.14 62.36,10.89 62.36,10.64 62.24,10.52 62.12,10.51 62,10.51 51.09,10.51 50.32,11.27 44.03,11.27 43.27,10.51 18.56,10.51 17.53,11.54 17.53,12.29 17.78,12.54 20.7,12.54
GND on BOTTOM (solid shape): 32.61,26.75 36.58,26.75 37.33,25.99 37.35,25.99 38.35,24.99 38.35,23.36 37.97,22.98 34.05,22.98 34.02,22.95 33.91,22.95 33.27,22.32 32.13,22.32 30.48,20.67 24.78,20.67 23.65,21.8 23.65,23.08 24.14,23.57 24.14,24.87 24.38,25.11 29.97,25.11 31.62,26.76 32.6,26.76
GND on BOTTOM (solid shape): outline of 1233 points within 0.51,10.51 64.54,62.91
GND on GND02 (solid shape): outline of 11445 points within 0.51,10.51 64.54,62.91
GND on POWER3 (solid shape): outline of 172 points within 0.51,10.51 64.54,62.91
AC_VREF on BOTTOM (solid shape): 27.94,30.07 27.94,29.94 28.57,29.31 28.57,28.52 28.57,28.52 28.57,26.64 27.81,25.88 27.3,25.88 27.05,26.13 27.05,26.51 27.69,27.15 27.69,28.34 27.7,28.37 27.74,28.39 27.79,28.41 27.83,28.45 27.86,28.48 27.89,28.53 27.9,28.54 28.45,28.54 28.45,28.8 28.19,28.8 28.19,28.54 27.9,28.54 27.91,28.58 27.92,28.63 27.93,28.68 27.93,28.73 27.92,28.78 27.9,28.83 27.87,28.88 27.84,28.92 27.81,28.94 27.79,28.97 27.78,29 27.78,29.02 27.79,29.05 27.81,29.08 27.84,29.1 27.87,29.14 27.89,29.18 27.91,29.23 27.92,29.28 27.93,29.33 27.93,29.38 27.92,29.43 27.9,29.47 27.87,29.52 27.84,29.56 27.81,29.59 27.77,29.62 27.72,29.64 27.67,29.66 27.62,29.67 27.57,29.67 27.53,29.66 27.51,29.66 27.48,29.68 27.46,29.7 27.44,29.72 27.43,29.75 27.43,29.76 27.43,30.07 27.56,30.19 27.81,30.19
TEMPER_DQ on TOP (solid shape): 29.45,57.5 29.45,56.36 31.87,53.94 31.87,52.42 31.61,52.16 29.96,52.16 29.71,52.42 29.71,54.07 28.18,55.59 28.18,57.63 28.31,57.75 29.2,57.75

Small or netless copper shapes (teardrops, artwork), in the pictures only: 48 on BOTTOM

## Text on the board
User.Comments: REV | XX | 01 | INITIAL RELEASE | REVISIONS | ACTION | UPDATE | DESIGNER | 0400 | XXX | XXXX-XX-XX | 2012-08-13 | DATE | 0113 | QA | 86-755-88852189 | T | A | K | E | R | W | 1 | 2 | 7 | 9 | 3 | 8 | 16 | 79 | 80 | 5 | 10 | 15 | 19 | HI3518ADMEB VER.A | D | B | F | C | 4 | 6
Ref Des/Silkscreen Top: 1 | HI3518EDMEB VER.A
DIMENSION: Notes3: | 1.CAUTION:For this PN.Soldermask should be covered at all required location and no red | soldermask (copper color)is allowed at BGA area | 8x | HI3518EDMEB VER.A DRILL CHART | 1--Gerber TOP | 2--GROUND PLANE02 | 3--POWER  PLANE03 | 4--Gerber BOTTOM
User.8: FIGURE | SIZE | 8.0 | 10.0 | 25.0 | 36.0 | 32.0 | DRILL CHART: TOP to BOTTOM | ALL UNITS ARE IN MILS | TOLERANCE | +3.0/-3.0 | +2.0/-2.0 | PLATED | NON-PLATED | QTY | 127 | 591 | 2 | 3 | 1 | 20
